# Altium PCB WatcherJet3.pcbdoc (part 1 of 3)
Units mm, origin at the board's own origin, x right, y up, seen from the top; angles counter-clockwise.
Board outline 160 x 115 mm, 2 copper layers (Top Layer, Bottom Layer); 120 components, 123 nets, 463 pads, 264 vias.
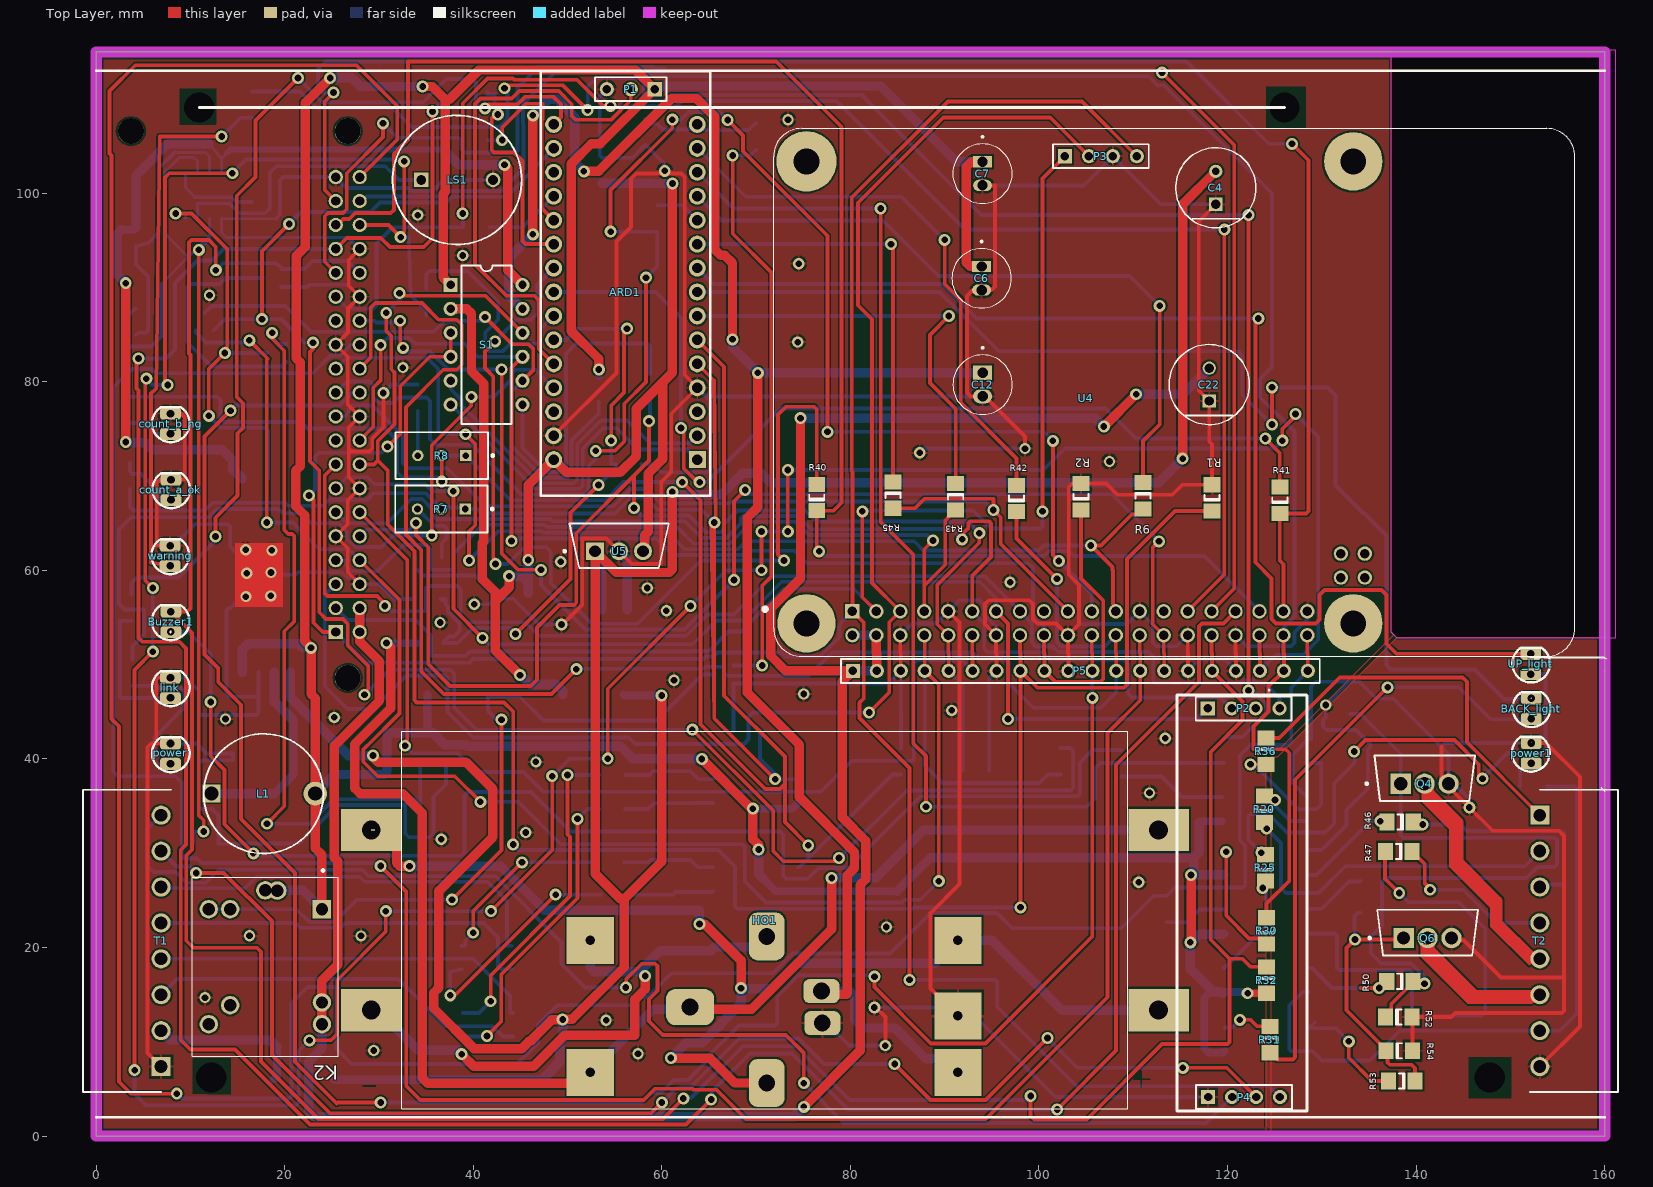
[diagram p0: Top Layer view]
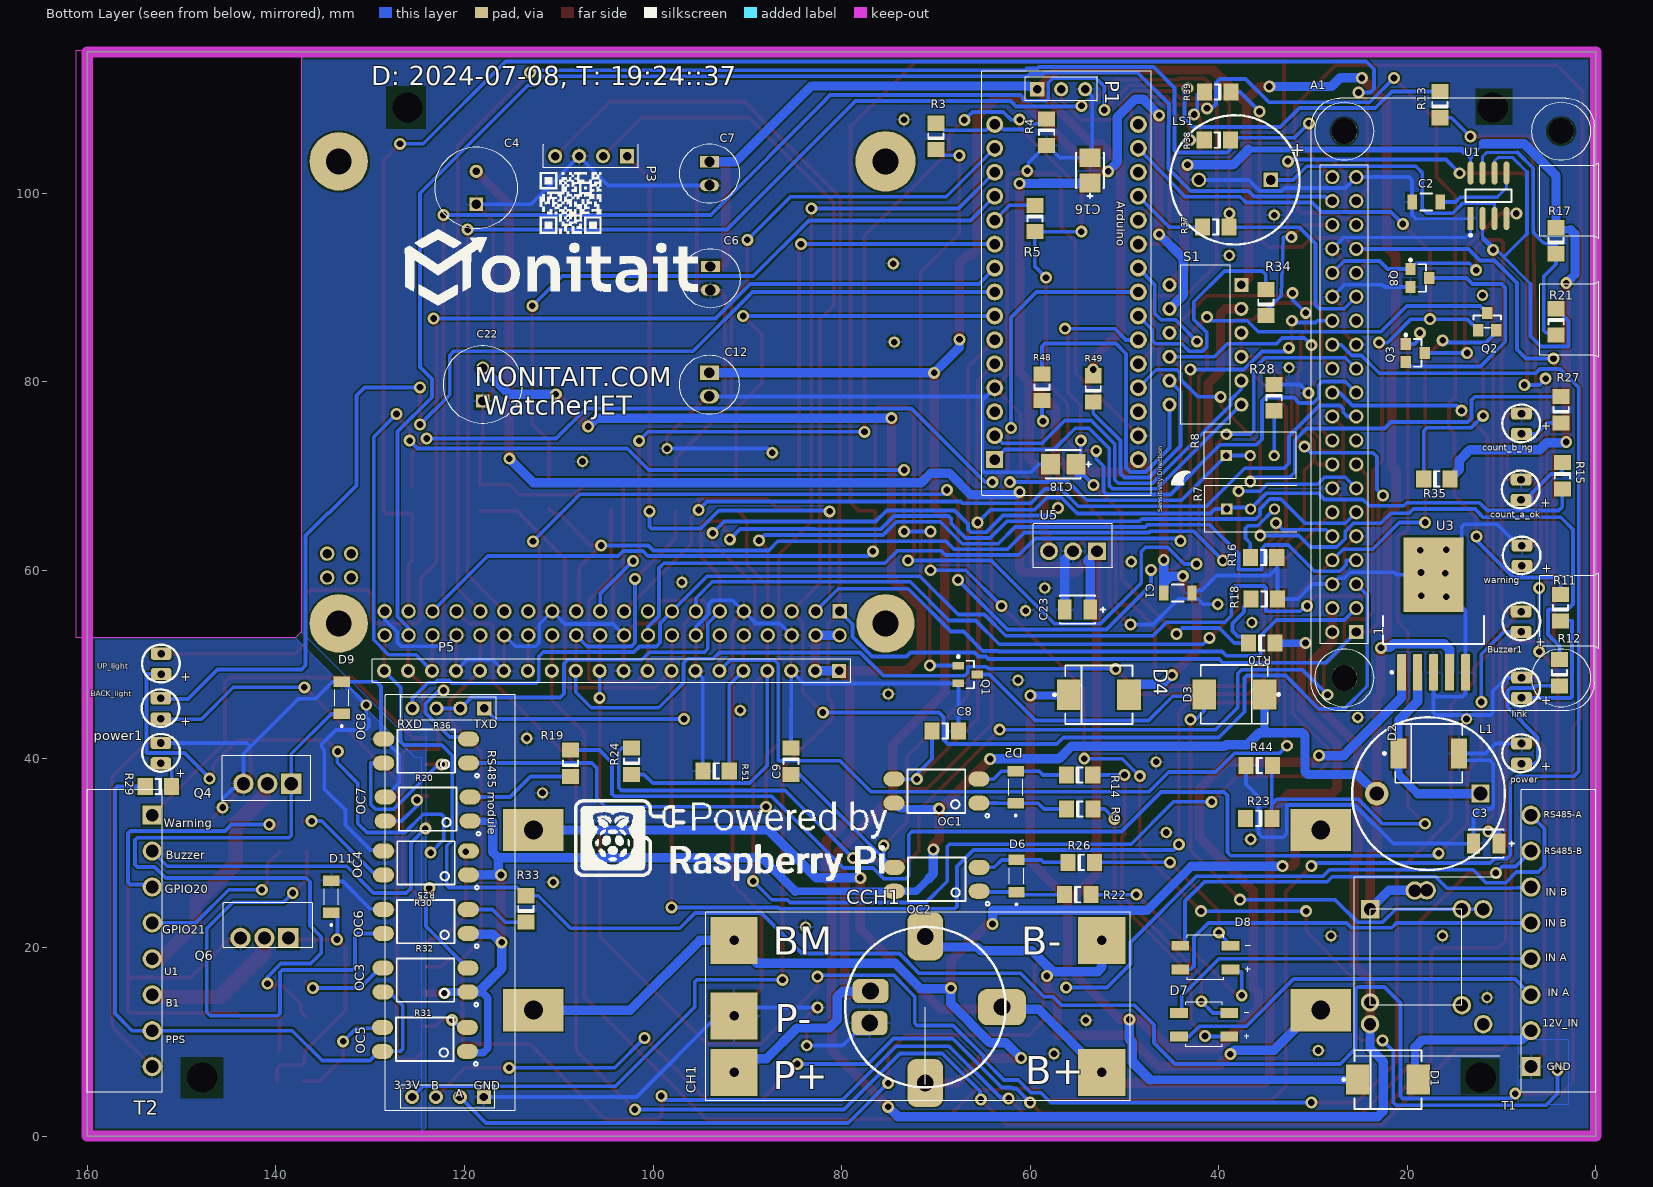
[diagram p1: Bottom Layer view, seen from below]

## Layer stack, top to bottom
Top Solder: solder mask 0.0102, Solder Resist, Dk 3.5
Top Layer: signal copper 0.0356
Dielectric 1: dielectric 0.32, FR-4, Dk 4.8
Bottom Layer: signal copper 0.0356
Bottom Solder: solder mask 0.0102, Solder Resist, Dk 3.5

## Board outline
0,0 159.999,0 159.999,115 0,115
cut-out: 137.315,53.505 137.967,52.853 161.191,52.853 161.194,115.163 137.315,115.163

## Design rules (kind name [scope] priority, off if disabled: settings)
Clearance [All] p1: gap=0.2 ignorepadtopadclearanceinfootprint=FALSE
ComponentClearance [All] p1: gap=0 collisioncheckmode=3 verticalgap=0 showdistances=FALSE
PolygonConnect [All] p1: connectstyle=Relief reliefconductorwidth=0.254 reliefentries=4 polygonreliefangle="90 Angle" airgapwidth=0.254
RoutingVias [All] p1: holewidth=0.711 width=1.27 viastyle="Through Hole" minholewidth=0.711 minwidth=1.27 maxholewidth=0.711 maxwidth=1.27
SMDNeckDown [All] p1: percent=50.000
SilkToSilkClearance [All] p1: silktosilkclearance=-0.025
SolderMaskExpansion [All] p1: expansion=0.102 istentingtop=FALSE
UnRoutedNet [All] p1: checkbadconnections=TRUE
Width "Schematic Width Constraint_15" [InNet('U1')] p1: maxlimit=2 minlimit=0.254 preferedwidth=1 minimp=50.000000 maximp=50.000000 favimp=50.000000
Width "Schematic Width Constraint_14" [InNet('B1')] p2: maxlimit=2 minlimit=0.254 preferedwidth=1 minimp=50.000000 maximp=50.000000 favimp=50.000000
Width "Schematic Width Constraint_16" [InNet('5V')] p3: maxlimit=2 minlimit=0.254 preferedwidth=1 minimp=50.000000 maximp=50.000000 favimp=50.000000
Width "Schematic Width Constraint_13" [InNet('3.7v')] p4: maxlimit=2 minlimit=0.254 preferedwidth=1 minimp=50.000000 maximp=50.000000 favimp=50.000000
Width "Schematic Width Constraint_2" [InNet('7.4v')] p5: maxlimit=2 minlimit=0.254 preferedwidth=1 minimp=50.000000 maximp=50.000000 favimp=50.000000
Width "Schematic Width Constraint_12" [InNet('AR_IN_9V')] p6: maxlimit=2 minlimit=0.254 preferedwidth=1 minimp=50.000000 maximp=50.000000 favimp=50.000000
Width "Schematic Width Constraint_6" [InNet('SW12')] p7: maxlimit=2 minlimit=0.254 preferedwidth=1 minimp=50.000000 maximp=50.000000 favimp=50.000000
Width "Schematic Width Constraint_10" [InNet('NetD2_1')] p8: maxlimit=2 minlimit=0.254 preferedwidth=1 minimp=50.000000 maximp=50.000000 favimp=50.000000
Width "Schematic Width Constraint_8" [InNet('NetC4_2')] p9: maxlimit=2 minlimit=0.254 preferedwidth=1 minimp=50.000000 maximp=50.000000 favimp=50.000000
Width "Schematic Width Constraint_7" [InNet('5V')] p10: maxlimit=2 minlimit=0.254 preferedwidth=1 minimp=50.000000 maximp=50.000000 favimp=50.000000
Width "Schematic Width Constraint_3" [InNet('SW11')] p11: maxlimit=2 minlimit=0.254 preferedwidth=1 minimp=50.000000 maximp=50.000000 favimp=50.000000
Width "Schematic Width Constraint_1" [InNet('5V_RPI')] p12: maxlimit=2 minlimit=0.254 preferedwidth=1 minimp=50.000000 maximp=50.000000 favimp=50.000000
Width "Schematic Width Constraint" [InNet('12V-24V-INPUT')] p13: maxlimit=2 minlimit=0.254 preferedwidth=1 minimp=50.000000 maximp=50.000000 favimp=50.000000
Width [All] p14: maxlimit=4 minlimit=0.1 preferedwidth=0.4
27 further rules are at their usual default settings.

## Components (designator, comment, footprint, x,y, rotation, side; value= is the part's Value field where it differs from the comment)
A1 "ADA3708" ADA3708_RPI-ZERO 26.67,77.597 r90 bottom
ARD1 "Nano R3" Arduino_Nano_R3 56.134,89.535 r180 top
BACK_light "LED5_BLUE" LED-3mm#1 152.343,45.288 r180 top
Buzzer1 "LED1_RED" LED-3mm#2 7.793,54.495 r0 top
C1 "0.1UF" FP-1206-L_3_2_0_2-W_1_6_0-MFG 44.321,57.587 r180 bottom
C2 "0.1UF" FP-1206-L_3_2_0_2-W_1_6_0-MFG 17.975,99.097 r0 bottom
C3 "10UF" FP-T491B106K020AT-MFG#1 11.608,31.023 r180 bottom
C4 "1000uF" FP-RAD-TH-D_8_0_5-L_15_1-MFG#1 118.754,100.585 r90 top
C6 "220uF16v" CAPPRD250W50D630H1650#1 93.911,90.989 r270 top
C7 "220uF16v" CAPPRD250W50D630H1650#1 94.008,102.096 r270 top
C8 "C1206" 1206 68.993,42.969 r0 bottom value=100nF
C9 "C1206" 1206 85.36,39.764 r270 bottom value=10nf
C12 "220uF16v" CAPPRD250W50D630H1650#2 94.019,79.713 r270 top
C16 "10UF" FP-T491B106K020AT-MFG#2 53.643,102.431 r270 bottom
C18 "10UF" FP-T491B106K020AT-MFG#3 56.491,71.269 r180 bottom
C22 "1000uF" FP-RAD-TH-D_8_0_5-L_15_1-MFG#2 118.058,79.72 r90 top
C23 "33UF" FP-T491B106K020AT-MFG#1 54.982,55.844 r180 bottom
CCH1 "CCH" PCBComponent_1#1 71.119,13.679 r180 bottom
CH1 "2-cell charer module" PCBComponent_1#2 49.397,23.752 r0 bottom
count_a_ok "LED5_BLUE" LED-3mm#1 8.05,68.498 r180 top
count_b_ng "LED3_BLUE" LED-3mm#1 7.998,75.497 r180 top
D1 "SS34-E3/57T" FP-95402-MFG#1 22.032,5.988 r180 bottom
D2 "SS34-E3/57T" FP-95402-MFG#2 17.714,40.586 r180 bottom
D3 "SS34-E3/57T" FP-95402-MFG#1 38.339,46.845 r0 bottom
D4 "SS34-E3/57T" FP-95402-MFG#1 52.711,46.818 r180 bottom
D5 "GLZ3.0B-3V" DIOMELF3515N 61.532,36.997 r90 bottom
D6 "GLZ3.0B-3V" DIOMELF3515N 61.446,27.586 r90 bottom
D7 "MB10F-13" DIOB_MB10F-13 41.543,11.813 r0 bottom
D8 "MB10F-13" DIOB_MB10F-13 41.403,18.935 r0 bottom
D9 "GLZ3.0B-3V" DIOMELF3515N 133.018,46.489 r90 bottom
D11 "GLZ3.0B-3V" DIOMELF3515N 134.121,25.388 r90 bottom
HO1 "2-cell battry holder" PCBComponent_1#3 109.414,42.916 r180 top
K2 "1-1721150-3" RELAY_1-1721150-3 17.931,17.966 r270 top
L1 "AIUR-06-100K" ABRA-AIUR-06-2_V 17.741,36.323 r0 top
link "LED4_RED" LED-3mm#1 7.996,47.496 r180 top
LS1 "KPEG242" KINGS-KPEG242-2 38.279,101.43 r0 top
OC1 "PC81713NIP0X" SOT254P1025X400-4N 69.934,36.586 r0 bottom
OC2 "PC81713NIP0X" SOT254P1025X400-4N 69.906,27.238 r0 bottom
OC3 "PC81713NIP0X" SOT254P1025X400-4N 124.138,16.548 r0 bottom
OC4 "PC81713NIP0X" SOT254P1025X400-4N 124.082,28.967 r0 bottom
OC5 "PC81713NIP0X" SOT254P1025X400-4N 124.194,10.255 r0 bottom
OC6 "PC81713NIP0X" SOT254P1025X400-4N 124.101,22.749 r0 bottom
OC7 "a" SOT254P1025X400-4N 123.908,34.682 r0 bottom
OC8 "a" SOT254P1025X400-4N 124.068,40.833 r0 bottom
P1 "Header 3" HDR1X3 59.237,111.049 r180 top
P2 "Header 4" HDR1X4 117.895,45.364 r0 top
P3 "Header 4" HDR1X4 102.758,103.943 r0 top
P4 "Header 4" HDR1X4 117.941,4.142 r0 top
P5 "Header 20" HDR1X20 80.256,49.346 r0 top
power "LED2_GREEN" LED-3mm#1 8,40.5 r180 top
power1 "LED2_GREEN" LED-3mm#2 152.085,40.552 r0 top
Q1 "BCX19" ONSC-SOT-23-3-318-08_V#1 66.608,48.96 r180 bottom
Q2 "BSS138" FP-318-08-IPC_B 11.515,86.388 r90 bottom
Q3 "BCX19" ONSC-SOT-23-3-318-08_V#2 19.139,83.072 r180 bottom
Q4 "IRF3205LPBF" FP-PG-TO262-3-MFG 140.906,37.961 r90 top
Q6 "IRF3205LPBF" FP-PG-TO262-3-MFG 141.221,21.588 r90 top
Q8 "BCX19" ONSC-SOT-23-3-318-08_V#2 18.642,91.024 r180 bottom
R1 "33K" 1206 118.352,67.69 r90 top
R2 "33K" 1206 104.453,67.811 r90 top
R3 "1K" 1206 70.004,106.033 r90 bottom
R4 "1K" 1206 58.243,106.474 r270 bottom
R5 "1K" 1206 59.494,97.332 r270 bottom
R6 "1K" 1206 111.04,67.932 r270 top
R7 "3296W-1-103LF" FP-3296W-MFG 36.608,66.511 r90 top
R8 "3296W-1-103LF" FP-3296W-MFG 36.646,72.179 r90 top
R9 "1K" 1206 54.725,34.689 r180 bottom
R10 "33K" 1206 35.415,52.292 r180 bottom
R11 "1K" 1206 3.733,56.052 r90 bottom
R12 "1K" 1206 3.835,49.156 r90 bottom
R13 "1K" 1206 16.538,109.416 r90 bottom
R14 "1K" 1206 54.757,38.299 r180 bottom
R15 "1K" 1206 3.541,70.028 r270 bottom
R16 "1K" 1206 35.236,61.373 r0 bottom
R17 "68K" 1206 4.211,94.994 r90 bottom
R18 "33K" 1206 35.167,56.981 r0 bottom
R19 "1K" 1206 108.762,39.544 r90 bottom
R20 "1K" 1206 123.908,34.682 r90 top
R21 "68K" 1206 4.191,86.36 r270 bottom
R22 "1K" 1206 54.952,25.606 r180 bottom
R23 "68K" 1206 35.759,33.707 r0 bottom
R24 "10K" 1206 102.272,39.764 r90 bottom
R25 "1K" 1206 124.024,28.437 r90 top
R26 "1K" 1206 54.57,29.039 r180 bottom
R27 "1K" 1206 3.659,77.03 r90 bottom
R28 "1K" 1206 34.104,78.337 r270 bottom
R29 "1K" 1206 152.463,37.072 r0 bottom
R30 "1K" 1206 124.139,21.76 r90 top
R31 "1K" 1206 124.496,10.236 r270 top
R32 "1K" 1206 124.138,16.548 r270 top
R33 "1K" 1206 113.494,24.087 r90 bottom
R34 "1K" 1206 34.999,88.422 r90 bottom
R35 "68K" 1206 16.84,69.717 r180 bottom
R36 "1K" 1206 124.068,40.833 r270 top
R37 "1K" 1206 40.313,96.415 r0 bottom
R38 "1K" 1206 40.122,105.64 r0 bottom
R39 "1K" 1206 40.096,110.755 r0 bottom
R40 "1K" 1206 76.427,67.736 r90 top
R41 "1K" 1206 125.543,67.449 r90 top
R42 "1K" 1206 97.625,67.63 r90 top
R43 "1K" 1206 91.159,67.811 r270 top
R44 "33K" 1206 35.686,39.3 r180 bottom
R45 "1K" 1206 84.512,67.992 r270 top
R46 "1K" 1206 138.305,33.299 r180 top
R47 "1K" 1206 138.174,30.2 r180 top
R48 "2.2K" 1206 58.726,79.439 r90 bottom
R49 "10K" 1206 53.301,79.255 r90 bottom
R50 "1K" 1206 138.292,16.412 r180 top
R51 "3.3K" 1206 93.312,38.747 r180 bottom
R52 "1K" 1206 138.174,12.624 r0 top
R53 "1K" 1206 138.484,5.84 r180 top
R54 "1K" 1206 138.221,9.05 r0 top
S1 "SW DIP-6" DIP-12/SW 41.402,83.936 r270 top
T1 "1803332" SHDRRA8W83P0X381_1X8_3187X920X 6.873,20.701 r90 top
T2 "1803332" SHDRRA8W83P0X381_1X8_3187X920X 153.126,20.704 r270 top
U1 "NE555DRG4" FP-D0008A-IPC_A 11.368,99.744 r90 bottom
U3 "LM2596SX-ADJ/NOPB" KTT0005B_L 17.199,55.392 r90 bottom
U4 "RASPBERRY_PI_3_MODEL_B+" MODULE_RASPBERRY_PI_3_MODEL_B+ 114.338,78.892 r0 top
U5 "LM7815CT/NOPB" FP-NDE0003B-MFG 55.453,62.61 r90 top
UP_light "LED5_BLUE" LED-3mm#1 152.305,50.017 r180 top
warning "LED1_RED" LED-3mm#1 7.949,61.498 r180 top

## Footprints (in the part's own frame and the unit in brackets; to place one, negate y for a bottom-side part, rotate by r counter-clockwise, add the part's x,y. Pads: shape width x height; smd on the part's side, far side on the other; paste and mask are expansions set on the pad)
1206 [mm] "Chip Capacitor; Body 3.2 x 1.6 mm (LxW typ)"
  rect 1.6x1.8 smd: 1(-1.4,0) 2(1.4,0)
  silkscreen extent -0.3,-0.8 0.3,0.8
ABRA-AIUR-06-2_V [mm] "Through Hole, 2-Leads, Dia 12.7mm"
  rect 1.9x1.9 hole 1.5: 1(-5.515,0)
  round 2.5 hole 1.5: 2(5.485,0)
  silkscreen extent -6.35,-6.35 6.35,6.35, body extent -6.35,-6.35 6.35,6.35, height 18
ADA3708_RPI-ZERO [mm]
  rect 1.508x1.508 hole 1: 1(-24.13,-1.27)
  round 1.508 hole 1: 2(-24.13,1.27) 3(-21.59,-1.27) 4(-21.59,1.27) 5(-19.05,-1.27) 6(-19.05,1.27) 7(-16.51,-1.27) 8(-16.51,1.27) 9(-13.97,-1.27) 10(-13.97,1.27) 11(-11.43,-1.27) 12(-11.43,1.27) 13(-8.89,-1.27) 14(-8.89,1.27) 15(-6.35,-1.27) 16(-6.35,1.27) 17(-3.81,-1.27) 18(-3.81,1.27) 19(-1.27,-1.27) 20(-1.27,1.27) 21(1.27,-1.27) 22(1.27,1.27) 23(3.81,-1.27) 24(3.81,1.27) 25(6.35,-1.27) 26(6.35,1.27) 27(8.89,-1.27) 28(8.89,1.27) 29(11.43,-1.27) 30(11.43,1.27) 31(13.97,-1.27) 32(13.97,1.27) 33(16.51,-1.27) 34(16.51,1.27) 35(19.05,-1.27) 36(19.05,1.27) 37(21.59,-1.27) 38(21.59,1.27) 39(24.13,-1.27) 40(24.13,1.27)
  round 0 all layers, no hole: ""(-29,-23)
  round 2.75 hole 2.75 unplated: ""(-29,0) ""(29,-23) ""(29,0)
  silkscreen extent -32.5,-27 32.5,3.5
Arduino_Nano_R3 [mm] "Arduino Nano R3, 30-Leads, Row Spacing 15.24mm, Pitch 2.54mm"
  rect 1.8x1.8 hole 1.1: 1(-7.62,17.78)
  round 1.8 hole 1.1: 2(-7.62,15.24) 3(-7.62,12.7) 4(-7.62,10.16) 5(-7.62,7.62) 6(-7.62,5.08) 7(-7.62,2.54) 8(-7.62,0) 9(-7.62,-2.54) 10(-7.62,-5.08) 11(-7.62,-7.62) 12(-7.62,-10.16) 13(-7.62,-12.7) 14(-7.62,-15.24) 15(-7.62,-17.78) 16(7.62,-17.78) 17(7.62,-15.24) 18(7.62,-12.7) 19(7.62,-10.16) 20(7.62,-7.62) 21(7.62,-5.08) 22(7.62,-2.54) 23(7.62,0) 24(7.62,2.54) 25(7.62,5.08) 26(7.62,7.62) 27(7.62,10.16) 28(7.62,12.7) 29(7.62,15.24) 30(7.62,17.78)
  silkscreen extent -9,-23.4 9,21.6, body extent -9,-23.4 9,21.6, height 12.72
CAPPRD250W50D630H1650#1 [mm]
  oval 1.2x2 hole 1.1: N(1.25,0)
  rect 1.2x2 hole 1.1: P(-1.25,0)
  silkscreen extent -4,-3.15 3.15,3.15
CAPPRD250W50D630H1650#2 [mm]
  oval 1.5x2 hole 1.1: N(1.25,0)
  rect 1.5x2 hole 1.1: P(-1.25,0)
  silkscreen extent -4,-3.15 3.15,3.15
DIOB_MB10F-13 [mm]
  rect 1.875x1.05 smd: 1(-2.663,1.25) 2(2.662,1.25) 3(-2.663,-1.25) 4(2.662,-1.25)
  silkscreen extent -4.75,-2.36 1.92,2.36, body extent -3.35,-2.36 3.35,2.36, height 1.8
DIOMELF3515N [mm]
  rect 1.11x1.73 smd: A(1.705,0) C(-1.705,0)
  silkscreen extent -3.1,-0.75 0.83,0.75, body extent -1.75,-0.8 1.75,0.8, height 1.6
DIP-12/SW [mm] "DIP Switch; 12 Leads"
  rect 1.5x1.5 hole 0.9: 1(-6.35,-3.81)
  round 1.5 hole 0.9: 2(-3.81,-3.81) 3(-1.27,-3.81) 4(1.27,-3.81) 5(3.81,-3.81) 6(6.35,-3.81) 7(6.35,3.81) 8(3.81,3.81) 9(1.27,3.81) 10(-1.27,3.81) 11(-3.81,3.81) 12(-6.35,3.81)
  silkscreen extent -8.43,-2.65 8.41,2.65
FP-318-08-IPC_B [mm]
  rect 1.3x1.1 smd: 1(-0.91,0.95) 2(-0.91,-0.95) 3(0.91,0)
  silkscreen extent -0.65,-1.45 0.65,1.45, body extent -1.2,-1.45 1.2,1.45, height 1.11
FP-1206-L_3_2_0_2-W_1_6_0-MFG [mm]
  rect 1x1.6 smd paste+0 mask+0: 1(-1.5,0) 2(1.5,0)
  silkscreen extent -0.62,-0.9 0.63,0.9, body extent -1.6,-0.8 1.6,0.8, height 0.94
FP-3296W-MFG [mm]
  rect 1.2x1.2 hole 0.7: 1(0.005,-2.54)
  round 1.2 hole 0.7: 2(0.005,0) 3(0.005,2.54)
  silkscreen extent -2.48,-5.53 2.48,4.89, body extent -2.58,-4.99 2.58,4.99, height 0.25
FP-95402-MFG#1 [mm]
  rect 2.5x3.2 smd paste+0 mask+0: 1(-3.205,0) 2(3.205,0)
  silkscreen extent -4.83,-3.11 3.56,3.11, body extent -3.97,-2.95 3.97,2.95, height 2.62
FP-95402-MFG#2 [mm]
  rect 1.72x3.2 smd paste+0 mask+0: 1(-3.205,0) 2(3.205,0)
  silkscreen extent -4.83,-3.11 3.55,3.11, body extent -3.97,-2.95 3.97,2.95, height 2.62
FP-D0008A-IPC_A [mm]
  rect 2.469x0.622 smd paste+0 mask+0: 1(-2.414,1.905)
  rrect100% 2.469x0.622 smd paste+0 mask+0: 2(-2.414,0.635) 3(-2.414,-0.635) 4(-2.414,-1.905) 5(2.414,-1.905) 6(2.414,-0.635) 7(2.414,0.635) 8(2.414,1.905)
  silkscreen extent -4.32,-2.45 0.68,2.45, body extent -3,-2.45 3,2.45, height 1.75
FP-NDE0003B-MFG [mm]
  rect 1.9x1.9 hole 1.25 paste-1000 mask+0: 1(-0.572,2.54)
  round 1.9 hole 1.25 paste-1000 mask+0: 2(-0.572,0) 3(-0.572,-2.54)
  silkscreen extent -2.35,-5.27 2.35,5.89, body extent -2.45,-5.37 2.45,5.37, height 0.25
FP-PG-TO262-3-MFG [mm]
  rect 2.15x2.15 hole 1.4 paste-1000 mask+0: 1(-0.582,2.54)
  round 2.15 hole 1.4 paste-1000 mask+0: 2(-0.582,0) 3(-0.582,-2.54)
  silkscreen extent -2.42,-5.34 2.42,6.27, body extent -2.51,-5.56 2.51,5.56, height 0.25
FP-RAD-TH-D_8_0_5-L_15_1-MFG#1 [mm]
  rect 1.4x1.4 hole 1: 1(-1.75,0)
  round 1.4 hole 0.8: 2(1.75,0)
  silkscreen extent -4.25,-4.25 4.25,4.25, body extent -4.35,-4.35 4.35,4.35, height 0.25
FP-RAD-TH-D_8_0_5-L_15_1-MFG#2 [mm]
  rect 1.4x1.4 hole 1: 1(-1.75,0)
  round 1.4 hole 1: 2(1.75,0)
  silkscreen extent -4.25,-4.25 4.25,4.25, body extent -4.35,-4.35 4.35,4.35, height 0.25
FP-T491B106K020AT-MFG#1 [mm]
  rect 1.42x2.13 smd paste+0 mask+0: 1(-1.35,0) 2(1.35,0)
  silkscreen extent -1.85,-1.5 2.95,1.5, body extent -1.85,-1.5 1.85,1.5, height 2.1
FP-T491B106K020AT-MFG#2 [mm]
  rect 2x2.2 smd paste+0 mask+0: 1(-1.35,0) 2(1.35,0)
  silkscreen extent -1.85,-1.5 2.95,1.5, body extent -1.85,-1.5 1.85,1.5, height 2.1
FP-T491B106K020AT-MFG#3 [mm]
  rect 2x2.2 smd: 1(-1.35,0) 2(1.35,0)
  silkscreen extent -1.85,-1.5 2.95,1.5, body extent -1.85,-1.5 1.85,1.5, height 2.1
HDR1X3 [mm] "Connector; Header; 3 Position"
  rect 1.5x1.5 hole 0.9: 1(0,0)
  round 1.5 hole 0.9: 2(2.54,0) 3(5.08,0)
  silkscreen extent -1.27,-1.27 6.35,1.27
HDR1X4 [mm] "Connector; Header; 4 Position"
  rect 1.5x1.5 hole 0.9: 1(0,0)
  round 1.5 hole 0.9: 2(2.54,0) 3(5.08,0) 4(7.62,0)
  silkscreen extent -1.27,-1.27 8.89,1.27
HDR1X20 [mm] "Connector; Header; 20 Position"
  rect 1.5x1.5 hole 0.9: 1(0,0)
  round 1.5 hole 0.9: 2(2.54,0) 3(5.08,0) 4(7.62,0) 5(10.16,0) 6(12.7,0) 7(15.24,0) 8(17.78,0) 9(20.32,0) 10(22.86,0) 11(25.4,0) 12(27.94,0) 13(30.48,0) 14(33.02,0) 15(35.56,0) 16(38.1,0) 17(40.64,0) 18(43.18,0) 19(45.72,0) 20(48.26,0)
  silkscreen extent -1.27,-1.27 49.53,1.27
KINGS-KPEG242-2 [mm] "THD, 2-Leads, Dia 13.7mm, Pitch 7.62mm"
  rect 1.55x1.55 hole 1.05: 1(-3.81,0)
  round 1.55 hole 1.05: 2(3.81,0)
  silkscreen extent -6.85,-6.85 6.85,6.85, body extent -6.85,-6.85 6.85,6.85, height 7.6
KTT0005B_L [mm] "DPAK, 5-Leads, Body 10.65x9.65mm, Pitch 1.7mm, IPC High Density"
  rrect11% 3.85x0.95 smd: 1(-6.2,3.4) 2(-6.2,1.7) 3(-6.2,0) 4(-6.2,-1.7) 5(-6.2,-3.4)
  rrect2% 7.9x6.4 smd: 6(4.15,0)
  silkscreen extent -6.32,-5.35 -0.2,5.35, body extent -3.2,-5.32 6.45,5.33, height 4.83
LED-3mm#1 [mm] "LED; 2 Leads"
  rrect50% 2.2x1.3 hole 0.8: 1(0.127,1.016) 2(0.127,-1.143)
  silkscreen extent -1.9,-1.81 2.09,1.89
LED-3mm#2 [mm]
  rrect50% 2.2x1.3 hole 0.8: 1(0.127,-1.016) 2(0.127,1.143)
  silkscreen extent -1.9,-1.89 2.09,1.81
MODULE_RASPBERRY_PI_3_MODEL_B+ [mil]
  rect 60x60 / inner round 60 / far side rect 60x60 hole 40: 1(-1343.7,-914.57)
  round 60 hole 40: 2(-1343.7,-1014.57) 3(-1243.7,-914.57) 4(-1243.7,-1014.57) 5(-1143.7,-914.57) 6(-1143.7,-1014.57) 7(-1043.7,-914.57) 8(-1043.7,-1014.57) 9(-943.7,-914.57) 10(-943.7,-1014.57) 11(-843.7,-914.57) 12(-843.7,-1014.57) 13(-743.7,-914.57) 14(-743.7,-1014.57) 15(-643.7,-914.57) 16(-643.7,-1014.57) 17(-543.7,-914.57) 18(-543.7,-1014.57) 19(-443.7,-914.57) 20(-443.7,-1014.57) 21(-343.7,-914.57) 22(-343.7,-1014.57) 23(-243.7,-914.57) 24(-243.7,-1014.57) 25(-143.7,-914.57) 26(-143.7,-1014.57) 27(-43.7,-914.57) 28(-43.7,-1014.57) 29(56.3,-914.57) 30(56.3,-1014.57) 31(156.3,-914.57) 32(156.3,-1014.57) 33(256.3,-914.57) 34(256.3,-1014.57) 35(356.3,-914.57) 36(356.3,-1014.57) 37(456.3,-914.57) 38(456.3,-1014.57) 39(556.3,-914.57) 40(556.3,-1014.57) 41(796.46,-673.5) 42(796.46,-773.5) 43(696.46,-673.5) 44(696.46,-773.5)
  round 244.09 hole 108.27: S1(-1535.43,-964.57) S2(748.03,-964.57)
  oval 0x244.09 all layers, no hole: S3(748.03,964.57) S4(-1535.43,964.57)
  silkscreen extent -1717,-1102 1673,1102, body extent -1673,-1102 1783,1181, height 79
ONSC-SOT-23-3-318-08_V#1 [mm] "SOT23, 3-Leads, Body 2.92x1.3mm, Pitch 0.95mm"
  rect 1.2x0.8 smd: 1(-1,0.95) 2(-1,-0.95) 3(1,0)
  silkscreen extent -1.13,-1.46 0.65,2.02, body extent -0.65,-1.46 0.65,1.46, height 1.11
ONSC-SOT-23-3-318-08_V#2 [mm] "SOT23, 3-Leads, Body 2.92x1.3mm, Pitch 0.95mm"
  rect 1.1x1.3 smd: 1(-1,0.95) 2(-1,-0.95) 3(1,0)
  silkscreen extent -1.13,-1.46 0.65,2.02, body extent -0.65,-1.46 0.65,1.46, height 1.11
PCBComponent_1#1 [mm]
  rrect50% 3.81x2.54 hole 1.778: 1(-5.8,1.7) 4(-5.9,-1.7)
  rrect50% 3.81x5.08 hole 1.778: 2(0,7.5) 3(0,-8.05)
  rrect50% 5.08x3.81 hole 1.778: 5(8.128,0)
  silkscreen extent -8.51,-8.51 8.51,8.51
PCBComponent_1#2 [mm]
  rect 5x5 hole 1: 1(42,11) 2(42,17) 3(42,3) 4(3,3) 5(3,17)
  silkscreen extent 0,0 45,20
PCBComponent_1#3 [mm]
  rect 6.4x4.5 hole 2: 1(-3.275,29.55) 2(80.25,29.55) 3(-3.275,10.45) 4(80.25,10.45)
  silkscreen extent 0,0 80.25,40
RELAY_1-1721150-3 [mm]
  rect 1.95x1.95 hole 1.3: A1(-6.1,6)
  round 1.95 hole 1.3: A2(-6.1,-6) COM(-8.1,0) NC(6.1,6) NO(6.1,-6)
  silkscreen extent -10.3,-7.75 9.5,7.75
SHDRRA8W83P0X381_1X8_3187X920X [mm]
  rect 2.025x2.025 / inner round 2.025 / far side rect 2.025x2.025 hole 1.35: 1(-13.335,0)
  round 2.025 hole 1.35: 2(-9.525,0) 3(-5.715,0) 4(-1.905,0) 5(1.905,0) 6(5.715,0) 7(9.525,0) 8(13.335,0)
  silkscreen extent -16.04,-1.05 16.04,8.3
SOT254P1025X400-4N [mm]
  oval 2.25x1.6 smd: 1(-4.5,1.27) 2(-4.5,-1.27) 3(4.5,-1.27) 4(4.5,1.27)